# Altium PCB Front Row.PcbDoc (part 1 of 2) (continued)
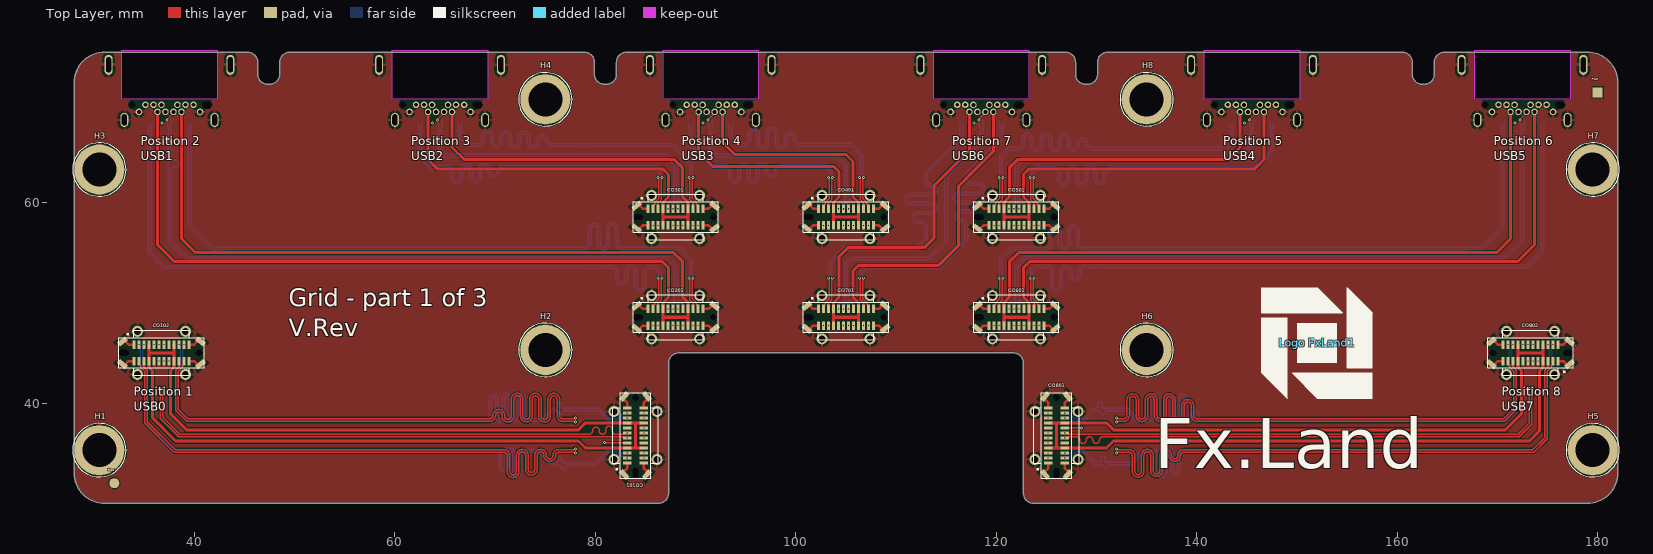
[diagram p0: Top Layer view]
## Components (designator, comment, footprint, x,y, rotation, side; value= is the part's Value field where it differs from the comment)
CO101 "USB4070" USB4070-30-C 84,36.763 r90 top locked
CO102 "USB4070" USB4070-30-C 36.7,45.006 r0 top locked
CO201 "USB4070" USB4070-30-C 88,48.56 r0 top locked
CO202 "USB4050" USB4050-30-A 37.5,75 r0 bottom locked
CO301 "USB4070" USB4070-30-C 88,58.56 r0 top locked
CO302 "USB4050" USB4050-30-A 64.5,75 r0 bottom locked
CO401 "USB4070" USB4070-30-C 105,58.56 r0 top locked
CO402 "USB4050" USB4050-30-A 91.5,75 r0 bottom locked
CO501 "USB4070" USB4070-30-C 122,58.56 r0 top locked
CO502 "USB4050" USB4050-30-A 145.5,75 r0 bottom locked
CO601 "USB4070" USB4070-30-C 122,48.56 r0 top locked
CO602 "USB4050" USB4050-30-A 172.5,75 r0 bottom locked
CO701 "USB4070" USB4070-30-C 105,48.56 r0 top locked
CO702 "USB4050" USB4050-30-A 118.5,75 r0 bottom locked
CO801 "USB4070" USB4070-30-C 126,36.763 r90 top locked
CO802 "USB4070" USB4070-30-C 173.3,45.006 r180 top locked
Fid1 "Fiducial" FidR_1.0mm 32,32 r0 top
Fid2 "Fiducial" FidS_1.0mm 180,71 r0 top
Fid3 "Fiducial" FidR_1.0mm 180,71 r180 bottom
Fid4 "Fiducial" FidS_1.0mm 29,39 r180 bottom
H1 "Hole M3" HOLE_M3 30.5,35.3 r0 top locked
H2 "Hole M3" HOLE_M3 75,45.3 r0 top locked
H3 "Hole M3" HOLE_M3 30.5,63.3 r0 top locked
H4 "Hole M3" HOLE_M3 75,70.3 r0 top locked
H5 "Hole M3" HOLE_M3 179.5,35.3 r0 top locked
H6 "Hole M3" HOLE_M3 135,45.3 r0 top locked
H7 "Hole M3" HOLE_M3 179.5,63.3 r0 top locked
H8 "Hole M3" HOLE_M3 135,70.3 r0 top locked
"Logo FxLand1" "FxLand" Logo_FxLand_3 152,46 r0 top

## Footprints (in the part's own frame and the unit in brackets; to place one, negate y for a bottom-side part, rotate by r counter-clockwise, add the part's x,y. Pads: shape width x height; smd on the part's side, far side on the other; paste and mask are expansions set on the pad)
FidR_1.0mm [mm]
  round 1 smd: 1(0,0)
FidS_1.0mm [mm]
  rect 1x1 smd: 1(0,0)
HOLE_M3 [mm]
  round 5 hole 3.4: 1(0,0)
  silkscreen extent -2.66,-2.66 2.67,2.66
Logo_FxLand_3 [mm]
  silkscreen extent -5.5,-5.5 5.5,5.5
USB4050-30-A [mm]
  rect 0.35x0.9 smd: 1(-2.75,7.06) 2(-2.25,7.06) 3(-1.75,7.06) 4(-1.25,7.06) 5(-0.75,7.06) 6(-0.25,7.06) 7(0.25,7.06) 8(0.75,7.06) 9(1.25,7.06) 10(1.75,7.06) 11(2.25,7.06) 12(2.75,7.06)
  round 0.65 hole 0.4: 21(3.05,5.95) 24(1.2,5.95) 25(0.8,5.25) 26(0.4,5.95) 27(-0.4,5.95) 28(-0.8,5.25) 29(-1.2,5.95) 32(-3.05,5.95)
  round 0.65 / inner round 0.475 / far side round 0.65 hole 0.375: 22(2.4,5.25) 23(1.6,5.25) 30(-1.6,5.25) 31(-2.4,5.25)
  round 0 hole 0.65: HOLE(-3.725,5.25)
  round 0 hole 0.65 slot 0.95 at 0 deg: HOLE(3.725,5.25)
  oval 0.8x2 hole 0.5 slot 1.5 at 90 deg: SH(-6.075,1.25) SH(6.075,1.25)
  oval 0.8x1.4 hole 0.5 slot 1.1 at 90 deg: SH(-4.5,6.75) SH(4.5,6.75)
  Keep-Out Layer board cut-out: -4.75,4.7 -4.75,-0.2 4.75,-0.2 4.75,4.7
  silkscreen extent -7,0 7,8.5, body extent -6.17,-2.49 6.17,7.51, height 2.06
USB4070-30-C [mm]
  round 0 hole 0.58 slot 1 at 0 deg unplated mask+0: 0(-3.75,0)
  round 0 hole 0.66 unplated mask+0: 0(3.75,0)
  rect 0.3x0.85 smd: 1(-2.75,0.83) 2(-2.25,0.83) 3(-1.75,0.83) 4(-1.25,0.83) 5(-0.75,0.83) 6(-0.25,0.83) 7(0.25,0.83) 8(0.75,0.83) 9(1.25,0.83) 10(1.75,0.83) 11(2.25,0.83) 12(2.75,0.83) 21(2.75,-0.83) 22(2.25,-0.83) 23(1.75,-0.83) 24(1.25,-0.83) 25(0.75,-0.83) 26(0.25,-0.83) 27(-0.25,-0.83) 28(-0.75,-0.83) 29(-1.25,-0.83) 30(-1.75,-0.83) 31(-2.25,-0.83) 32(-2.75,-0.83)
  rect 0.5x1.03 smd rot 50: SH(-3.88,-1.135) SH(3.88,1.135)
  rect 0.5x1.03 smd rot 130: SH(-3.88,1.135) SH(3.88,-1.135)
  round 1.1 hole 0.7: SH(-2.4,-2.15) SH(-2.4,2.15) SH(2.4,-2.15) SH(2.4,2.15)
  silkscreen extent -4.25,-2.25 4.25,2.25, body extent -4.44,-2.27 4.43,2.28, height 10.54

## Part data
CO101 CO102 CO201 CO301 CO401 CO501 CO601 CO701 CO801 CO802: library part CO0021, "USB4070-30-C", ID=16, ManfactPart=USB4070-30-C, Part Number=CO0021, RefVal=USB4070
CO202 CO302 CO402 CO502 CO602 CO702: library part CO0039, "USB C connector Receptacle Horizontal", ID=39, ManfactPart=USB4050-30-A, Part Number=CO0039, RefVal=USB4050
Fid1 Fid3: library part ME0011, "Fiducial Round 1mm", ID=11, Part Number=ME0011, RefVal=Fiducial
Fid2 Fid4: library part ME0012, "Fiducial Sqaure 1mm", ID=12, Part Number=ME0012, RefVal=Fiducial
H1 H2 H3 H4 H5 H6 H7 H8: library part ME0001, "Mounting Hole M3", ID=1, Part Number=ME0001, RefVal="Hole M3"
"Logo FxLand1": library part ME0008, "Logo FxLand 3", ID=8, Part Number=ME0008, RefVal=FxLand

## Via types
v1: diameter 0.3, hole 0.1, Top Layer to Bottom Layer, 156 vias

## Nets (pads, with @x,y where several pads share a name; then routed paths per layer and width w, separated by ;. In a path a pad name is that pad's centre, name@x,y a point inside that pad or via, vN(x,y) a via of type N, cw(c..) or ccw(c..) an arc to the next point about the centre after c; other vN are vias at no path point)
GND: CO101.1 CO101.12 CO101.21 CO101.32 CO101.SH CO102.1 CO102.12 CO102.21 CO102.32 CO102.SH CO201.1 CO201.12 CO201.21 CO201.32 CO201.SH CO202.1 CO202.12 CO202.21 CO202.32 CO202.SH CO301.1 CO301.12 CO301.21 CO301.32 CO301.SH CO302.1 CO302.12 CO302.21 CO302.32 CO302.SH CO401.1 CO401.12 CO401.21 CO401.32 CO401.SH CO402.1 CO402.12 CO402.21 CO402.32 CO402.SH CO501.1 CO501.12 CO501.21 CO501.32 CO501.SH CO502.1 CO502.12 CO502.21 CO502.32 CO502.SH CO601.1 CO601.12 CO601.21 CO601.32 CO601.SH CO602.1 CO602.12 CO602.21 CO602.32 CO602.SH CO701.1 CO701.12 CO701.21 CO701.32 CO701.SH CO702.1 CO702.12 CO702.21 CO702.32 CO702.SH CO801.1 CO801.12 CO801.21 CO801.32 CO801.SH CO802.1 CO802.12 CO802.21 CO802.32 CO802.SH H1.1 H2.1 H3.1 H4.1 H5.1 H6.1 H7.1 H8.1 | length 51.3
  Top Layer w0.25: CO102.SH@32.82,43.871 32.851,43.84 33.089,43.84 33.425,44.176 CO102.32@33.95,44.176 ; CO102.SH@32.82,46.141 32.851,46.172 33.089,46.172 33.425,45.836 CO102.1@33.95,45.836 ; CO102.21@39.45,44.176 39.975,44.176 40.311,43.84 40.549,43.84 CO102.SH@40.58,43.871 ; CO102.12@39.45,45.836 39.975,45.836 40.311,46.172 40.549,46.172 CO102.SH@40.58,46.141 ; CO101.SH@82.865,32.883 82.834,32.914 82.834,33.152 83.17,33.488 CO101.1@83.17,34.013 ; CO101.SH@82.865,40.643 82.834,40.612 82.834,40.374 83.17,40.038 CO101.12@83.17,39.513 ; CO201.SH@84.12,47.425 84.151,47.394 84.389,47.394 84.725,47.73 CO201.32@85.25,47.73 ; CO201.SH@84.12,49.695 84.151,49.726 84.389,49.726 84.725,49.39 CO201.1@85.25,49.39 ; CO301.SH@84.12,57.425 84.151,57.394 84.389,57.394 84.725,57.73 CO301.32@85.25,57.73 ; CO301.SH@84.12,59.695 84.151,59.726 84.389,59.726 84.725,59.39 CO301.1@85.25,59.39 ; CO101.32@84.83,34.013 84.83,33.488 85.166,33.152 85.166,32.914 CO101.SH@85.135,32.883 ; CO101.21@84.83,39.513 84.83,40.038 85.166,40.374 85.166,40.612 CO101.SH@85.135,40.643 ; CO201.21@90.75,47.73 91.275,47.73 91.611,47.394 91.849,47.394 CO201.SH@91.88,47.425 ; CO201.12@90.75,49.39 91.275,49.39 91.611,49.726 91.849,49.726 CO201.SH@91.88,49.695 ; CO301.21@90.75,57.73 91.275,57.73 91.611,57.394 91.849,57.394 CO301.SH@91.88,57.425 ; CO301.12@90.75,59.39 91.275,59.39 91.611,59.726 91.849,59.726 CO301.SH@91.88,59.695 ; CO701.SH@101.12,47.425 101.151,47.394 101.389,47.394 101.725,47.73 CO701.32@102.25,47.73 ; CO701.SH@101.12,49.695 101.151,49.726 101.389,49.726 101.725,49.39 CO701.1@102.25,49.39 ; CO401.SH@101.12,57.425 101.151,57.394 101.389,57.394 101.725,57.73 CO401.32@102.25,57.73 ; CO401.SH@101.12,59.695 101.151,59.726 101.389,59.726 101.725,59.39 CO401.1@102.25,59.39 ; CO701.21@107.75,47.73 108.275,47.73 108.611,47.394 108.849,47.394 CO701.SH@108.88,47.425 ; CO701.12@107.75,49.39 108.275,49.39 108.611,49.726 108.849,49.726 CO701.SH@108.88,49.695 ; CO401.21@107.75,57.73 108.275,57.73 108.611,57.394 108.849,57.394 CO401.SH@108.88,57.425 ; CO401.12@107.75,59.39 108.275,59.39 108.611,59.726 108.849,59.726 CO401.SH@108.88,59.695 ; CO601.SH@118.12,47.425 118.151,47.394 118.389,47.394 118.725,47.73 CO601.32@119.25,47.73 ; CO601.SH@118.12,49.695 118.151,49.726 118.389,49.726 118.725,49.39 CO601.1@119.25,49.39 ; CO501.SH@118.12,57.425 118.151,57.394 118.389,57.394 118.725,57.73 CO501.32@119.25,57.73 ; CO501.SH@118.12,59.695 118.151,59.726 118.389,59.726 118.725,59.39 CO501.1@119.25,59.39 ; CO601.21@124.75,47.73 125.275,47.73 125.611,47.394 125.849,47.394 CO601.SH@125.88,47.425 ; CO601.12@124.75,49.39 125.275,49.39 125.611,49.726 125.849,49.726 CO601.SH@125.88,49.695 ; CO501.21@124.75,57.73 125.275,57.73 125.611,57.394 125.849,57.394 CO501.SH@125.88,57.425 ; CO501.12@124.75,59.39 125.275,59.39 125.611,59.726 125.849,59.726 CO501.SH@125.88,59.695 ; CO801.SH@124.865,32.883 124.834,32.914 124.834,33.152 125.17,33.488 CO801.1@125.17,34.013 ; CO801.SH@124.865,40.643 124.834,40.612 124.834,40.374 125.17,40.038 CO801.12@125.17,39.513 ; CO801.32@126.83,34.013 126.83,33.488 127.166,33.152 127.166,32.914 CO801.SH@127.135,32.883 ; CO801.21@126.83,39.513 126.83,40.038 127.166,40.374 127.166,40.612 CO801.SH@127.135,40.643 ; CO802.SH@169.42,43.871 169.451,43.84 169.689,43.84 170.025,44.176 CO802.12@170.55,44.176 ; CO802.SH@169.42,46.141 169.451,46.172 169.689,46.172 170.025,45.836 CO802.21@170.55,45.836 ; CO802.1@176.05,44.176 176.575,44.176 176.911,43.84 177.149,43.84 CO802.SH@177.18,43.871 ; CO802.32@176.05,45.836 176.575,45.836 176.911,46.172 177.149,46.172 CO802.SH@177.18,46.141
USB0_5V: CO101.4 CO101.9 CO101.24 CO101.29 CO102.4 CO102.9 CO102.24 CO102.29 | length 118
  Top Layer w0.3: CO102.4@35.45,45.836 35.45,45.006 ; CO102.9@37.95,45.836 37.95,45.006 ; CO101.29@84.83,35.513 84,35.513 ; CO101.24@84.83,38.013 84,38.013 ; 35.45,45.006 CO102.29@35.45,44.176 35.45,43.552 35.8,43.202 35.8,38.523 38.1,36.223 78.3,36.223 79.01,35.513 84,35.513 ; 35.45,45.006 37.95,45.006 ; 37.95,45.006 CO102.24@37.95,44.176 37.95,43.552 37.6,43.202 37.6,38.923 39.2,37.323 78.3,37.323 78.99,38.013 CO101.9@83.17,38.013 84,38.013 ; 84,35.513 84,38.013
USB0_CC1: CO101.5 CO102.5 | length 55.7
  Top Layer w0.127: v1(80.9,36.063) 83.12,36.063 CO101.5@83.17,36.013
  Layer 3 w0.127: v1(35.95,45.836) 35.95,38.273 38.16,36.063 v1(80.9,36.063)
USB0_CC2: CO101.25 CO102.25 | length 53
  Layer 3 w0.127: v1(37.45,44.176) 37.45,39.373 39.31,37.513 v1(84.83,37.513)
USB0_N: CO101.7 CO101.27 CO102.7 CO102.27 | length 65.9
  Top Layer w0.15: v1(36.9,41.506) 36.9,41.465 36.828,41.393 36.828,38.596 38.533,36.891 78.626,36.891 79.385,36.891 ccw(c79.385,37.22) 79.714,37.22 79.714,37.26 cw(c80.043,37.26) 80.043,37.589 cw(c80.043,37.26) 80.372,37.26 80.372,37.22 ccw(c80.701,37.22) 80.701,36.891 ccw(c80.701,37.22) 81.03,37.22 81.03,37.359 cw(c81.359,37.359) 81.359,37.688 cw(c81.359,37.359) 81.688,37.359 81.688,37.22 ccw(c82.017,37.22) 82.017,36.891 82.75,36.891 CO101.7@82.772,36.891 ; v1(83.17,37.013) CO101.7@82.895,37.013 ; CO101.7@82.772,36.891 CO101.7@82.895,37.013 ; CO101.7@82.772,36.891 CO101.7@82.895,37.013
  Layer 3 w0.125: v1(36.45,44.176) 36.45,44.223 36.552,44.326 36.552,44.628 37.5,45.576 37.5,46.306 37.4,46.406 37.3,46.506 37,46.506 36.848,46.354 36.848,45.986 36.95,45.883 v1(36.95,45.836) ; v1(83.17,37.013) 83.217,37.013 83.32,36.911 83.622,36.911 84.57,35.963 85.3,35.963 85.4,36.063 85.5,36.163 85.5,36.463 85.348,36.615 84.98,36.615 84.877,36.513 v1(84.83,36.513)
  Layer 6 w0.125: v1(36.9,41.506) 36.867,41.539 36.867,41.545 36.867,41.648 36.848,41.667 36.848,42.022 36.649,42.22 cw(c36.783,42.354) 36.649,42.488 36.679,42.518 ccw(c36.545,42.652) 36.679,42.786 ccw(c36.545,42.652) 36.411,42.786 36.381,42.756 cw(c36.247,42.89) 36.113,42.756 35.656,43.214 35.611,43.258 35.595,43.275 35.595,44.178 36.848,45.43 36.848,45.686 36.95,45.789 v1(36.95,45.836)
USB0_P: CO101.6 CO101.26 CO102.6 CO102.26 | length 65.9
  Top Layer w0.15: v1(36.5,41.506) 36.5,41.465 36.572,41.393 36.572,38.49 38.427,36.636 CO101.6@82.772,36.636 ; v1(83.17,36.513) CO101.6@82.895,36.513 ; CO101.6@82.772,36.636 CO101.6@82.895,36.513 ; CO101.6@82.772,36.635 CO101.6@82.895,36.513
  Layer 3 w0.125: v1(36.45,45.836) 36.45,45.883 36.552,45.986 36.552,46.476 36.878,46.801 37.422,46.801 37.795,46.428 37.795,45.454 36.848,44.506 36.848,44.326 36.95,44.223 v1(36.95,44.176) ; v1(83.17,36.513) 83.217,36.513 83.32,36.615 83.5,36.615 84.448,35.668 85.422,35.668 85.795,36.041 85.795,36.585 85.47,36.911 84.98,36.911 84.877,37.013 v1(84.83,37.013)
  Layer 6 w0.125: v1(36.45,45.836) 36.45,45.789 36.552,45.686 36.552,45.552 35.3,44.3 35.3,43.153 36.552,41.9 36.552,41.667 36.533,41.648 36.533,41.539 v1(36.5,41.506)
USB0_RX1_N: CO101.30 CO102.30 | length 68.1
  Top Layer w0.15: CO102.30@35.016,44.11 CO102.30@34.95,44.176 34.928,44.154 34.928,43.614 35.28,43.262 35.28,38.143 38.073,35.351 69.761,35.351 70.876,35.351 cw(c70.876,34.767) 71.46,34.767 71.46,33.139 ccw(c71.789,33.139) 72.118,33.139 72.118,34.788 cw(c72.702,34.788) 73.286,34.788 73.286,33.401 ccw(c73.615,33.401) 73.944,33.401 73.944,34.788 cw(c74.528,34.788) 75.112,34.788 75.112,34.766 ccw(c75.441,34.766) 75.77,34.766 cw(c76.354,34.767) 76.354,35.351 77.436,35.351 77.887,35.351 77.959,35.423 v1(78,35.423)
  Layer 6 w0.125: v1(78,35.423) 78.033,35.39 78.142,35.39 78.161,35.371 78.51,35.371 78.573,35.371 ccw(c78.573,35.687) 78.889,35.687 78.889,35.934 cw(c79.206,35.934) 79.206,36.25 cw(c79.206,35.934) 79.522,35.934 79.522,35.687 ccw(c79.839,35.687) 79.839,35.371 80.304,35.371 81.908,35.371 82.395,35.858 83.553,35.858 84.5,34.911 84.68,34.911 84.783,35.013 v1(84.83,35.013)
USB0_RX1_P: CO101.31 CO102.31 | length 68
  Top Layer w0.15: CO102.31@34.45,44.176 34.45,43.901 34.625,43.726 34.625,43.556 35.025,43.156 35.025,38.037 37.967,35.096 69.761,35.096 70.876,35.096 cw(c70.876,34.767) 71.205,34.767 71.205,33.139 ccw(c71.789,33.139) 72.373,33.139 72.373,34.788 cw(c72.702,34.788) 73.031,34.788 73.031,33.401 ccw(c73.615,33.401) 74.199,33.401 74.199,34.788 cw(c74.528,34.788) 74.857,34.788 74.857,34.766 ccw(c75.441,34.766) 76.025,34.766 cw(c76.354,34.767) 76.354,35.096 77.436,35.096 77.887,35.096 77.959,35.023 v1(78,35.023)
  Layer 6 w0.125: v1(78,35.023) 78.033,35.056 78.142,35.056 78.161,35.076 78.962,35.076 79.657,35.076 cw(c79.657,34.759) 79.974,34.759 79.974,34.751 ccw(c80.29,34.751) 80.29,34.435 ccw(c80.29,34.751) 80.607,34.751 80.607,34.759 cw(c80.923,34.759) 80.923,35.076 81.448,35.076 82.03,35.076 82.517,35.563 83.43,35.563 84.378,34.616 84.68,34.616 84.783,34.513 v1(84.83,34.513)
USB0_RX2_N: CO101.10 CO102.10 | length 67.5
  Bottom Layer w0.15: v1(38.45,45.836) 38.45,45.796 38.573,45.673 38.573,43.714 38.12,43.262 38.12,39.288 39.225,38.183 68.312,38.183 69.185,38.183 ccw(c69.185,38.64) 69.642,38.64 69.642,40.423 cw(c69.844,40.423) 70.045,40.423 70.045,38.568 ccw(c70.502,38.568) 70.959,38.568 70.959,40.521 cw(c71.161,40.521) 71.363,40.521 71.363,38.568 ccw(c71.82,38.568) 72.277,38.568 72.277,40.521 cw(c72.479,40.521) 72.681,40.521 72.681,38.64 ccw(c73.138,38.64) 73.138,38.183 74,38.183 74.833,38.183 75.718,39.068 75.875,39.225 76.096,39.225 cw(c76.096,39.023) 76.298,39.023 ccw(c76.5,39.023) 76.5,38.821 ccw(c76.5,39.023) 76.702,39.023 cw(c76.904,39.023) 76.904,39.225 77.198,39.225 80.275,39.225 81.317,38.183 82.321,38.183 82.774,38.636 83.007,38.636 83.13,38.513 v1(83.17,38.513)
USB0_RX2_P: CO101.11 CO102.11 | length 67.5
  Bottom Layer w0.15: v1(38.95,45.836) 38.95,45.796 38.828,45.673 38.828,43.609 38.375,43.156 38.375,39.394 39.331,38.438 68.312,38.438 69.185,38.438 ccw(c69.185,38.64) 69.387,38.64 69.387,40.423 cw(c69.844,40.423) 70.3,40.423 70.3,38.568 ccw(c70.502,38.568) 70.704,38.568 70.704,40.521 cw(c71.161,40.521) 71.618,40.521 71.618,38.568 ccw(c71.82,38.568) 72.022,38.568 72.022,40.521 cw(c72.479,40.521) 72.936,40.521 72.936,38.64 ccw(c73.138,38.64) 73.138,38.438 74,38.438 74.727,38.438 75.769,39.48 75.939,39.48 76.014,39.48 ccw(c76.014,39.682) 76.216,39.682 76.216,39.893 cw(c76.418,39.893) 76.418,40.095 cw(c76.418,39.893) 76.62,39.893 76.62,39.682 ccw(c76.822,39.682) 76.822,39.48 77.156,39.48 80.381,39.48 81.423,38.438 82.215,38.438 82.668,38.891 83.007,38.891 83.13,39.013 v1(83.17,39.013)
USB0_TX1_N: CO101.3 CO102.3 | length 67.5
  Bottom Layer w0.15: v1(34.95,45.836) 34.95,45.796 34.827,45.673 34.827,43.733 35.3,43.261 35.3,38.063 38.02,35.343 67.7,35.343 70.161,35.343 cw(c70.161,34.886) 70.618,34.886 70.618,33.596 ccw(c70.82,33.596) 71.022,33.596 71.022,35.095 cw(c71.479,35.095) 71.936,35.095 71.936,33.005 ccw(c72.138,33.005) 72.34,33.005 72.34,34.886 cw(c72.797,34.886) 72.797,35.343 73,35.343 74.439,35.343 75.757,34.025 75.982,34.025 76.057,34.025 ccw(c76.057,34.227) 76.259,34.227 76.259,34.438 cw(c76.461,34.438) 76.461,34.64 cw(c76.461,34.438) 76.663,34.438 76.663,34.227 ccw(c76.865,34.227) 76.865,34.025 77.203,34.025 78.231,34.025 79.925,34.025 81.243,35.343 82.256,35.343 82.708,34.891 83.007,34.891 83.13,35.013 v1(83.17,35.013)
USB0_TX1_P: CO101.2 CO102.2 | length 67.5
  Bottom Layer w0.15: v1(34.45,45.836) 34.45,45.796 34.572,45.673 34.572,43.628 35.045,43.155 35.045,37.957 37.914,35.088 67.7,35.088 70.161,35.088 cw(c70.161,34.886) 70.363,34.886 70.363,33.596 ccw(c70.82,33.596) 71.277,33.596 71.277,35.095 cw(c71.479,35.095) 71.681,35.095 71.681,33.005 ccw(c72.138,33.005) 72.595,33.005 72.595,34.886 cw(c72.797,34.886) 72.797,35.088 73,35.088 74.333,35.088 75.651,33.77 75.914,33.77 76.393,33.77 cw(c76.393,33.568) 76.595,33.568 ccw(c76.797,33.568) 76.797,33.366 ccw(c76.797,33.568) 76.999,33.568 cw(c77.201,33.568) 77.201,33.77 78.231,33.77 80.031,33.77 81.349,35.088 82.15,35.088 82.603,34.636 83.007,34.636 83.13,34.513 v1(83.17,34.513)
USB0_TX2_N: CO101.23 CO102.23 | length 68
  Top Layer w0.15: CO102.23@38.45,44.176 38.472,44.154 38.472,43.614 38.12,43.262 38.12,39.242 39.187,38.175 68.425,38.175 69.45,38.175 ccw(c69.45,38.759) 70.034,38.759 70.034,38.775 cw(c70.363,38.775) 70.692,38.775 70.692,38.693 ccw(c71.276,38.693) 71.86,38.693 71.86,40.387 cw(c72.189,40.387) 72.518,40.387 72.518,38.693 ccw(c73.102,38.693) 73.686,38.693 73.686,40.387 cw(c74.015,40.387) 74.344,40.387 74.344,38.693 ccw(c74.928,38.693) 75.512,38.693 75.512,40.387 cw(c75.841,40.387) 76.17,40.387 76.17,38.759 ccw(c76.754,38.759) 76.754,38.175 77.87,38.175 77.887,38.175 77.959,38.103 v1(78,38.103)
  Layer 6 w0.125: v1(78,38.103) 78.033,38.136 78.142,38.136 78.161,38.155 79.466,38.155 80.161,38.155 cw(c80.161,37.839) 80.478,37.839 ccw(c80.794,37.839) 80.794,37.522 ccw(c80.794,37.839) 81.111,37.839 cw(c81.427,37.839) 81.427,38.155 81.856,38.155 ; 81.832,38.155 81.856,38.155 ; v1(84.83,38.513) 84.783,38.513 84.68,38.615 84.5,38.615 83.553,37.668 82.395,37.668 81.908,38.155 81.856,38.155
USB0_TX2_P: CO101.22 CO102.22 | length 68.1
  Top Layer w0.15: CO102.22@38.95,44.176 38.95,43.901 38.775,43.726 38.775,43.556 38.375,43.156 38.375,39.348 39.293,38.43 68.425,38.43 69.45,38.43 ccw(c69.45,38.759) 69.779,38.759 69.779,38.775 cw(c70.363,38.775) 70.947,38.775 70.947,38.693 ccw(c71.276,38.693) 71.605,38.693 71.605,40.387 cw(c72.189,40.387) 72.773,40.387 72.773,38.693 ccw(c73.102,38.693) 73.431,38.693 73.431,40.387 cw(c74.015,40.387) 74.599,40.387 74.599,38.693 ccw(c74.928,38.693) 75.257,38.693 75.257,40.387 cw(c75.841,40.387) 76.425,40.387 76.425,38.759 ccw(c76.754,38.759) 76.754,38.43 77.87,38.43 77.887,38.43 77.959,38.503 v1(78,38.503)
  Layer 6 w0.125: v1(78,38.503) 78.033,38.47 78.142,38.47 78.161,38.45 80.008,38.45 80.071,38.45 ccw(c80.071,38.767) 80.387,38.767 80.387,38.951 cw(c80.704,38.951) 80.704,39.267 cw(c80.704,38.951) 81.02,38.951 81.02,38.767 ccw(c81.337,38.767) 81.337,38.45 81.85,38.45 ; 81.829,38.45 81.85,38.45 ; v1(84.83,39.013) 84.783,39.013 84.68,38.91 84.378,38.91 83.43,37.963 82.517,37.963 82.03,38.45 81.85,38.45
USB1_5V: CO201.4 CO201.9 CO201.24 CO201.29 CO202.4 CO202.9 CO202.24 CO202.29 | length 148.3
  Top Layer w0.3: CO202.29@36.3,69.05 36.3,55.8 38,54.1 43.1,54.1 86.7,54.1 87.3,53.5 87.3,50.564 86.75,50.014 CO201.4@86.75,49.39 86.75,48.56 ; CO202.24@38.7,69.05 38.7,56.4 40.1,55 43.1,55 87.8,55 88.7,54.1 88.7,50.564 89.25,50.014 CO201.9@89.25,49.39 89.25,48.56 ; CO201.29@86.75,47.73 86.75,48.56 ; CO201.24@89.25,47.73 89.25,48.56 ; 86.75,48.56 89.25,48.56
  Bottom Layer w0.3: CO202.4@36.25,67.94 CO202.4@36.275,67.965 ; CO202.29@36.3,69.05 CO202.29@36.275,69.025 ; CO202.24@38.7,69.05 CO202.24@38.725,69.025 ; CO202.9@38.75,67.94 CO202.9@38.725,67.965 ; CO202.4@36.275,67.965 CO202.29@36.275,69.025 ; CO202.4@36.275,67.965 CO202.29@36.275,69.025 ; CO202.9@38.725,67.965 CO202.24@38.725,69.025 ; CO202.9@38.725,67.965 CO202.24@38.725,69.025
USB1_CC1: CO201.5 CO202.5 | length 68
  Layer 6 w0.127: v1(36.75,67.94) 36.75,55.35 38,54.1 86.7,54.1 87.245,53.555 v1@87.245,49.38
  other v1: 87.25,49.39
USB1_CC2: CO201.25 CO202.25 | length 72.8
  Layer 6 w0.1: CO202.25@38.3,69.75 38.695,70.145 40.405,70.145 40.525,70.025 40.525,69.704 40.07,69.249 40.07,55.405 40.475,55 43.1,55 87.8,55 88.75,54.05 v1(88.75,47.73)
USB1_N: CO201.7 CO201.27 CO202.7 CO202.27 | length 75.4
  Layer 3 w0.125: v1(87.75,47.73) 87.75,47.683 87.852,47.58 87.852,47.213 87.7,47.06 87.4,47.06 87.3,47.16 87.2,47.26 87.2,47.99 88.147,48.938 88.147,49.24 88.25,49.343 v1(88.25,49.39)
  Bottom Layer w0.15: CO202.27@37.1,69.05 37.65,68.5 37.65,68.04 CO202.7@37.75,67.94 ; v1(88.25,49.39) 88.25,49.43 88.127,49.553 88.127,49.959 cw(c88.456,49.959) 88.456,50.288 88.618,50.288 ccw(c88.618,50.617) 88.947,50.617 ccw(c88.618,50.617) 88.618,50.946 88.456,50.946 cw(c88.456,51.275) 88.127,51.275 88.127,51.75 88.127,53.733 87.38,54.481 87.261,54.6 39.3,54.6 37.628,56.272 37.628,62.5 37.628,63.233 cw(c37.957,63.233) 37.957,63.562 38.166,63.562 ccw(c38.166,63.891) 38.495,63.891 ccw(c38.166,63.891) 38.166,64.22 37.957,64.22 cw(c37.957,64.549) 37.628,64.549 37.628,65 37.628,67.477 37.65,67.5 CO202.7@37.65,67.84 ; CO202.7@37.65,67.84 CO202.7@37.75,67.94 ; CO202.7@37.65,67.84 CO202.7@37.75,67.94
USB1_P: CO201.6 CO201.26 CO202.6 CO202.26 | length 73.8
  Top Layer w0.15: v1(37.25,68.25) 37.25,68.291 37.9,68.941 CO202.26@37.9,69.05
  Layer 3 w0.125: v1(87.75,49.39) 87.75,49.343 87.852,49.24 87.852,49.06 86.905,48.112 86.905,47.138 87.278,46.765 87.822,46.765 88.147,47.09 88.147,47.58 88.25,47.683 v1(88.25,47.73)
  Bottom Layer w0.15: v1(87.75,49.39) 87.75,49.43 87.872,49.553 87.872,53.628 87.2,54.3 87.155,54.345 39.194,54.345 37.373,56.167 37.373,67.477 37.35,67.5 CO202.6@37.35,67.84 ; CO202.6@37.35,67.84 CO202.6@37.25,67.94 CO202.6@37.35,67.84
USB1_RX1_N: CO201.30 CO202.30 | length 76.2
  Layer 3 w0.125: CO202.30@35.9,69.75 35.9,69.667 35.648,69.414 35.648,55.153 37.1,53.7 79.565,53.7 80.444,53.7 cw(c80.444,53.089) 81.056,53.089 ccw(c81.372,53.088) 81.689,53.088 81.689,53.182 cw(c82.3,53.182) 82.912,53.182 82.912,51.837 ccw(c83.228,51.837) 83.545,51.837 83.545,53.089 cw(c84.156,53.089) 84.156,53.7 84.366,53.7 84.817,53.7 85.209,53.309 85.695,52.822 85.695,52.04 86.312,51.422 86.435,51.3 86.608,51.127 86.608,50.293 86.147,49.833 86.147,47.88 86.25,47.777 v1(86.25,47.73)
USB1_RX1_P: CO201.31 CO202.31 | length 76.2
  Layer 3 w0.125: CO202.31@35.1,69.75 35.1,69.667 35.353,69.414 35.353,55.03 36.4,53.983 36.978,53.405 79.565,53.405 80.444,53.405 cw(c80.444,53.089) 80.761,53.089 ccw(c81.372,53.088) 81.984,53.088 81.984,53.182 cw(c82.3,53.182) 82.617,53.182 82.617,51.837 ccw(c83.228,51.837) 83.84,51.837 83.84,53.089 cw(c84.156,53.089) 84.156,53.405 84.366,53.405 84.695,53.405 85.104,52.996 85.4,52.7 85.4,51.918 86.312,51.005 86.312,50.415 85.852,49.955 85.852,47.88 85.75,47.777 v1(85.75,47.73)
USB1_RX2_N: CO201.10 CO202.10 | length 75.2
  Top Layer w0.15: v1(89.347,52.5) 89.347,52.459 89.42,52.387 89.42,50.304 89.772,49.952 89.772,49.412 CO201.10@89.75,49.39
  Bottom Layer w0.15: CO202.10@39.25,67.94 39.35,67.84 39.35,67.5 39.372,67.477 39.372,57.667 41.739,55.3 75.947,55.3 76.68,55.3 76.68,55.272 77.338,55.272 77.338,55.3 77.818,55.3 78.964,55.3 ccw(c78.964,55.884) 79.548,55.884 79.548,57.336 cw(c79.877,57.336) 80.206,57.336 80.206,55.834 ccw(c80.79,55.834) 81.374,55.834 81.374,57.452 cw(c81.703,57.452) 82.032,57.452 82.032,55.884 ccw(c82.616,55.884) 82.616,55.3 85.558,55.3 88.4,55.3 89.42,54.28 89.42,52.613 89.347,52.541 v1(89.347,52.5)
USB1_RX2_P: CO201.11 CO202.11 | length 75.2
  Top Layer w0.15: v1(89.747,52.5) 89.747,52.459 89.675,52.387 89.675,50.41 90.075,50.01 90.075,49.84 90.25,49.665 CO201.11@90.25,49.39
  Bottom Layer w0.15: CO202.11@39.75,67.94 39.65,67.84 39.65,67.5 39.628,67.477 39.628,57.773 41.845,55.555 77.818,55.555 78.964,55.555 ccw(c78.964,55.884) 79.293,55.884 79.293,57.336 cw(c79.877,57.336) 80.461,57.336 80.461,55.834 ccw(c80.79,55.834) 81.119,55.834 81.119,57.452 cw(c81.703,57.452) 82.287,57.452 82.287,55.884 ccw(c82.616,55.884) 82.616,55.555 85.558,55.555 88.506,55.555 89.675,54.386 89.675,52.613 89.747,52.541 v1(89.747,52.5)
USB1_TX1_N: CO201.3 CO202.3 | length 75.2
  Top Layer w0.15: CO201.3@86.25,49.39 86.228,49.412 86.228,49.952 86.58,50.304 86.58,52.387 86.652,52.459 v1(86.652,52.5)
  Bottom Layer w0.15: CO202.3@35.75,67.94 35.65,67.84 35.65,67.5 35.628,67.477 35.628,55.073 37,53.7 79.008,53.7 79.365,53.7 79.365,53.728 80.023,53.728 80.023,53.7 80.756,53.7 81.712,53.7 cw(c81.712,53.116) 82.296,53.116 82.296,52.386 ccw(c82.625,52.386) 82.954,52.386 82.954,53.16 cw(c83.538,53.16) 84.122,53.16 84.122,51.679 ccw(c84.451,51.679) 84.78,51.679 84.78,53.116 cw(c85.364,53.116) 85.364,53.7 85.566,53.7 85.961,53.7 86.58,53.081 86.58,52.613 86.652,52.541 v1(86.652,52.5)
USB1_TX1_P: CO201.2 CO202.2 | length 75.2
  Top Layer w0.15: CO201.2@85.75,49.39 85.75,49.665 85.925,49.84 85.925,50.01 86.325,50.41 86.325,52.387 86.252,52.459 v1(86.252,52.5)
  Bottom Layer w0.15: CO202.2@35.25,67.94 35.35,67.84 35.35,67.5 35.373,67.477 35.373,54.967 36.894,53.445 80.756,53.445 81.712,53.445 cw(c81.712,53.116) 82.041,53.116 82.041,52.386 ccw(c82.625,52.386) 83.209,52.386 83.209,53.16 cw(c83.538,53.16) 83.867,53.16 83.867,51.679 ccw(c84.451,51.679) 85.035,51.679 85.035,53.116 cw(c85.364,53.116) 85.364,53.445 85.566,53.445 85.855,53.445 86.325,52.975 86.325,52.613 86.252,52.541 v1(86.252,52.5)
USB1_TX2_N: CO201.23 CO202.23 | length 76.2
  Layer 3 w0.125: CO202.23@39.1,69.75 39.1,69.667 39.352,69.414 39.352,57.73 41.783,55.3 78.683,55.3 79.657,55.3 ccw(c79.657,55.912) 80.269,55.912 80.269,56.577 cw(c80.585,56.577) 80.902,56.577 80.902,55.862 ccw(c81.513,55.862) 82.125,55.862 82.125,57.524 cw(c82.441,57.524) 82.758,57.524 82.758,55.912 ccw(c83.369,55.912) 83.369,55.3 84.507,55.3 86.8,55.3 87.905,54.195 87.905,51.78 89.852,49.833 89.852,47.88 89.75,47.777 v1(89.75,47.73)
USB1_TX2_P: CO201.22 CO202.22 | length 76.2
  Layer 3 w0.125: CO202.22@39.9,69.75 39.9,69.667 39.648,69.414 39.648,57.852 40.391,57.109 41.905,55.595 78.683,55.595 79.657,55.595 ccw(c79.657,55.912) 79.974,55.912 79.974,56.577 cw(c80.585,56.577) 81.197,56.577 81.197,55.862 ccw(c81.513,55.862) 81.83,55.862 81.83,57.524 cw(c82.441,57.524) 83.053,57.524 83.053,55.912 ccw(c83.369,55.912) 83.369,55.595 84.507,55.595 86.922,55.595 88.2,54.317 88.2,51.902 89.543,50.56 90.148,49.955 90.148,47.88 90.25,47.777 v1(90.25,47.73)
USB2_5V: CO301.4 CO301.9 CO301.24 CO301.29 CO302.4 CO302.9 CO302.24 CO302.29 | length 75.1
  Top Layer w0.3: CO302.29@63.3,69.05 63.3,64.3 64.225,63.375 86.725,63.375 87.3,62.8 87.3,60.564 86.75,60.014 CO301.4@86.75,59.39 86.75,58.56 ; CO302.24@65.7,69.05 65.7,65.5 66.9,64.3 87.875,64.3 88.7,63.475 88.7,60.564 89.25,60.014 CO301.9@89.25,59.39 89.25,58.56 ; CO301.29@86.75,57.73 86.75,58.56 ; CO301.24@89.25,57.73 89.25,58.56 ; 86.75,58.56 89.25,58.56
  Bottom Layer w0.3: CO302.4@63.275,67.965 CO302.29@63.275,69.025 ; CO302.4@63.275,67.965 CO302.4@63.25,67.94 CO302.4@63.275,67.965 ; CO302.4@63.275,67.965 CO302.29@63.275,69.025 ; CO302.29@63.275,69.025 CO302.29@63.3,69.05 CO302.29@63.275,69.025 ; CO302.9@65.725,67.965 CO302.24@65.725,69.025 ; CO302.9@65.725,67.965 CO302.9@65.75,67.94 CO302.9@65.725,67.965 ; CO302.9@65.725,67.965 CO302.24@65.725,69.025 ; CO302.24@65.725,69.025 CO302.24@65.7,69.05 CO302.24@65.725,69.025
USB2_CC1: CO301.5 CO302.5 | length 31.5
  Layer 6 w0.127: v1(63.75,67.94) 63.75,63.85 64.2,63.4 86.8,63.4 87.245,62.955 v1@87.245,59.38
  other v1: 87.25,59.39
USB2_CC2: CO301.25 CO302.25 | length 35.6
  Layer 6 w0.1: CO302.25@65.3,69.75 65.695,70.145 67.405,70.145 67.525,70.025 67.525,69.704 67.07,69.249 67.07,64.929 67.699,64.3 87.6,64.3 88.75,63.15 v1(88.75,57.73)
USB2_N: CO301.7 CO301.27 CO302.7 CO302.27 | length 38.9
  Layer 3 w0.125: v1(87.75,57.73) 87.75,57.683 87.852,57.58 87.852,57.212 87.7,57.06 87.4,57.06 87.3,57.16 87.2,57.26 87.2,57.99 88.147,58.938 88.147,59.24 88.25,59.343 v1(88.25,59.39)
  Bottom Layer w0.15: CO302.27@64.1,69.05 64.65,68.5 CO302.7@64.65,68.04 ; CO302.7@64.75,67.94 64.65,67.84 64.65,67.5 64.628,67.477 64.628,65.173 65,64.8 87.2,64.8 88.127,63.873 88.127,62.317 88.127,61.275 ccw(c88.456,61.275) 88.456,60.946 89.273,60.946 cw(c89.273,60.617) 89.602,60.617 cw(c89.273,60.617) 89.273,60.288 88.456,60.288 ccw(c88.456,59.959) 88.127,59.959 88.127,59.553 88.25,59.43 v1(88.25,59.39)
USB2_P: CO301.6 CO301.26 CO302.6 CO302.26 | length 37.4
  Top Layer w0.15: v1(64.25,68.25) 64.25,68.291 64.9,68.941 CO302.26@64.9,69.05
  Layer 3 w0.125: v1(87.75,59.39) 87.75,59.343 87.852,59.24 87.852,59.06 86.905,58.112 86.905,57.138 87.278,56.765 87.822,56.765 88.147,57.09 88.147,57.58 88.25,57.683 v1(88.25,57.73)
  Bottom Layer w0.15: CO302.6@64.25,67.94 64.35,67.84 64.35,67.5 64.373,67.477 64.373,65.067 64.894,64.545 87.094,64.545 87.872,63.767 87.872,59.553 87.75,59.43 v1(87.75,59.39)
USB2_RX1_N: CO301.30 CO302.30 | length 39.4
  Layer 3 w0.125: CO302.30@62.9,69.75 62.9,69.667 62.648,69.414 62.648,63.352 63.405,62.595 78.59,62.595 80.436,62.595 cw(c80.436,61.984) 81.047,61.984 ccw(c81.364,61.983) 81.68,61.983 81.68,62.91 cw(c82.292,62.91) 82.903,62.91 82.903,61.76 ccw(c83.22,61.76) 83.536,61.76 83.536,61.984 cw(c84.148,61.984) 84.148,62.595 84.358,62.595 85.14,62.595 86.608,61.127 86.608,59.475 86.147,59.015 86.147,57.88 86.25,57.777 v1(86.25,57.73)
USB2_RX1_P: CO301.31 CO302.31 | length 39.4
  Layer 3 w0.125: CO302.31@62.1,69.75 62.1,69.667 62.353,69.414 62.353,63.23 63.283,62.3 78.59,62.3 80.436,62.3 cw(c80.436,61.984) 80.752,61.984 ccw(c81.364,61.983) 81.975,61.983 81.975,62.91 cw(c82.292,62.91) 82.608,62.91 82.608,61.76 ccw(c83.22,61.76) 83.831,61.76 83.831,61.984 cw(c84.148,61.984) 84.148,62.3 84.358,62.3 85.018,62.3 86.28,61.038 86.312,61.005 86.312,59.598 85.852,59.138 85.852,57.88 85.75,57.777 v1(85.75,57.73)
USB2_RX2_N: CO301.10 CO302.10 | length 38.2
  Top Layer w0.15: v1(89.347,62.5) 89.347,62.459 89.42,62.387 89.42,60.304 89.772,59.952 89.772,59.412 CO301.10@89.75,59.39
  Bottom Layer w0.15: CO302.10@66.25,67.94 66.35,67.84 66.35,67.5 66.372,67.477 66.372,66.528 67.3,65.6 68.107,65.6 68.309,65.6 ccw(c68.309,66.184) 68.893,66.184 68.893,66.633 cw(c69.222,66.633) 69.551,66.633 69.551,65.994 ccw(c70.135,65.994) 70.719,65.994 70.719,66.633 cw(c71.048,66.633) 71.377,66.633 71.377,65.994 ccw(c71.961,65.994) 72.545,65.994 72.545,66.566 cw(c72.874,66.566) 73.203,66.566 73.203,65.994 ccw(c73.787,65.994) 74.371,65.994 74.371,66.184 cw(c74.7,66.184) 75.029,66.184 ccw(c75.613,66.184) 75.613,65.6 76.54,65.6 77.764,65.6 78.497,65.6 78.497,65.572 79.155,65.572 79.155,65.6 79.598,65.6 87.7,65.6 89.42,63.88 89.42,62.613 89.347,62.541 v1(89.347,62.5)
USB2_RX2_P: CO301.11 CO302.11 | length 38.3
  Top Layer w0.15: v1(89.747,62.5) 89.747,62.459 89.675,62.387 89.675,60.41 90.075,60.01 90.075,59.84 90.25,59.665 CO301.11@90.25,59.39
  Bottom Layer w0.15: CO302.11@66.75,67.94 66.65,67.84 66.65,67.5 66.627,67.477 66.627,66.633 67.406,65.855 68.107,65.855 68.309,65.855 ccw(c68.309,66.184) 68.638,66.184 68.638,66.633 cw(c69.222,66.633) 69.806,66.633 69.806,65.994 ccw(c70.135,65.994) 70.464,65.994 70.464,66.633 cw(c71.048,66.633) 71.632,66.633 71.632,65.994 ccw(c71.961,65.994) 72.29,65.994 72.29,66.566 cw(c72.874,66.566) 73.458,66.566 73.458,65.994 ccw(c73.787,65.994) 74.116,65.994 74.116,66.184 cw(c74.7,66.184) 75.284,66.184 ccw(c75.613,66.184) 75.613,65.855 76.54,65.855 87.806,65.855 89.675,63.986 89.675,62.613 89.747,62.541 v1(89.747,62.5)
USB2_TX1_N: CO301.3 CO302.3 | length 38.2
  Top Layer w0.15: CO301.3@86.25,59.39 86.228,59.412 86.228,59.952 86.58,60.304 86.58,62.387 86.652,62.459 v1(86.652,62.5)
  Bottom Layer w0.15: CO302.3@62.75,67.94 62.65,67.84 62.65,67.5 62.628,67.477 62.628,64.673 63.645,63.655 64.162,63.655 65.278,63.655 cw(c65.278,63.071) 65.862,63.071 65.862,62.471 ccw(c66.191,62.471) 66.52,62.471 66.52,63.281 cw(c67.104,63.281) 67.688,63.281 67.688,62.541 ccw(c68.017,62.541) 68.346,62.541 68.346,63.281 cw(c68.93,63.281) 69.514,63.281 69.514,63.071 ccw(c69.843,63.071) 70.172,63.071 cw(c70.756,63.071) 70.756,63.655 72.18,63.655 72.479,63.655 72.554,63.655 72.554,63.683 73.212,63.683 73.212,63.655 73.588,63.655 86.206,63.655 86.58,63.281 86.58,62.613 86.652,62.541 v1(86.652,62.5)
USB2_TX1_P: CO301.2 CO302.2 | length 38.3
  Top Layer w0.15: CO301.2@85.75,59.39 85.75,59.665 85.925,59.84 85.925,60.01 86.325,60.41 86.325,62.387 86.252,62.459 v1(86.252,62.5)
  Bottom Layer w0.15: CO302.2@62.25,67.94 62.35,67.84 62.35,67.5 62.373,67.477 62.373,64.567 63.539,63.4 64.162,63.4 65.278,63.4 cw(c65.278,63.071) 65.607,63.071 65.607,62.471 ccw(c66.191,62.471) 66.775,62.471 66.775,63.281 cw(c67.104,63.281) 67.433,63.281 67.433,62.541 ccw(c68.017,62.541) 68.601,62.541 68.601,63.281 cw(c68.93,63.281) 69.259,63.281 69.259,63.071 ccw(c69.843,63.071) 70.427,63.071 cw(c70.756,63.071) 70.756,63.4 72.18,63.4 86.1,63.4 86.325,63.175 86.325,62.613 86.252,62.541 v1(86.252,62.5)
USB2_TX2_N: CO301.23 CO302.23 | length 39.4
  Layer 3 w0.125: CO302.23@66.1,69.75 66.1,69.667 66.352,69.414 66.352,65.73 67.183,64.9 77.382,64.9 79.385,64.9 ccw(c79.385,65.511) 79.997,65.511 79.997,65.986 cw(c80.313,65.986) 80.63,65.986 80.63,64.824 ccw(c81.241,64.824) 81.853,64.824 81.853,66.253 cw(c82.169,66.253) 82.486,66.253 82.486,65.511 ccw(c83.097,65.511) 83.097,64.9 84.235,64.9 87,64.9 87.805,64.095 87.805,61.063 89.852,59.015 89.852,57.88 89.75,57.777 v1(89.75,57.73)
USB2_TX2_P: CO301.22 CO302.22 | length 39.4
  Layer 3 w0.125: CO302.22@66.9,69.75 66.9,69.667 66.647,69.414 66.647,65.852 67.305,65.195 77.382,65.195 79.385,65.195 ccw(c79.385,65.511) 79.702,65.511 79.702,65.986 cw(c80.313,65.986) 80.925,65.986 80.925,64.824 ccw(c81.241,64.824) 81.558,64.824 81.558,66.253 cw(c82.169,66.253) 82.781,66.253 82.781,65.511 ccw(c83.097,65.511) 83.097,65.195 84.235,65.195 87.122,65.195 87.817,64.5 88.1,64.217 88.1,61.185 90.148,59.138 90.148,57.88 90.25,57.777 v1(90.25,57.73)